# Altium PCB test_stand — копия.PcbDoc (part 1 of 2)
Units mm, origin at the board's own origin, x right, y up, seen from the top; angles counter-clockwise.
Board outline 94 x 80 mm, 4 copper layers (Top Layer, Layer 1(GND), Layer 3, Bottom Layer), stack 1.781 mm thick; 209 components, 152 nets, 944 pads, 135 vias.
Unrouted connection lines stored in the file: 39.
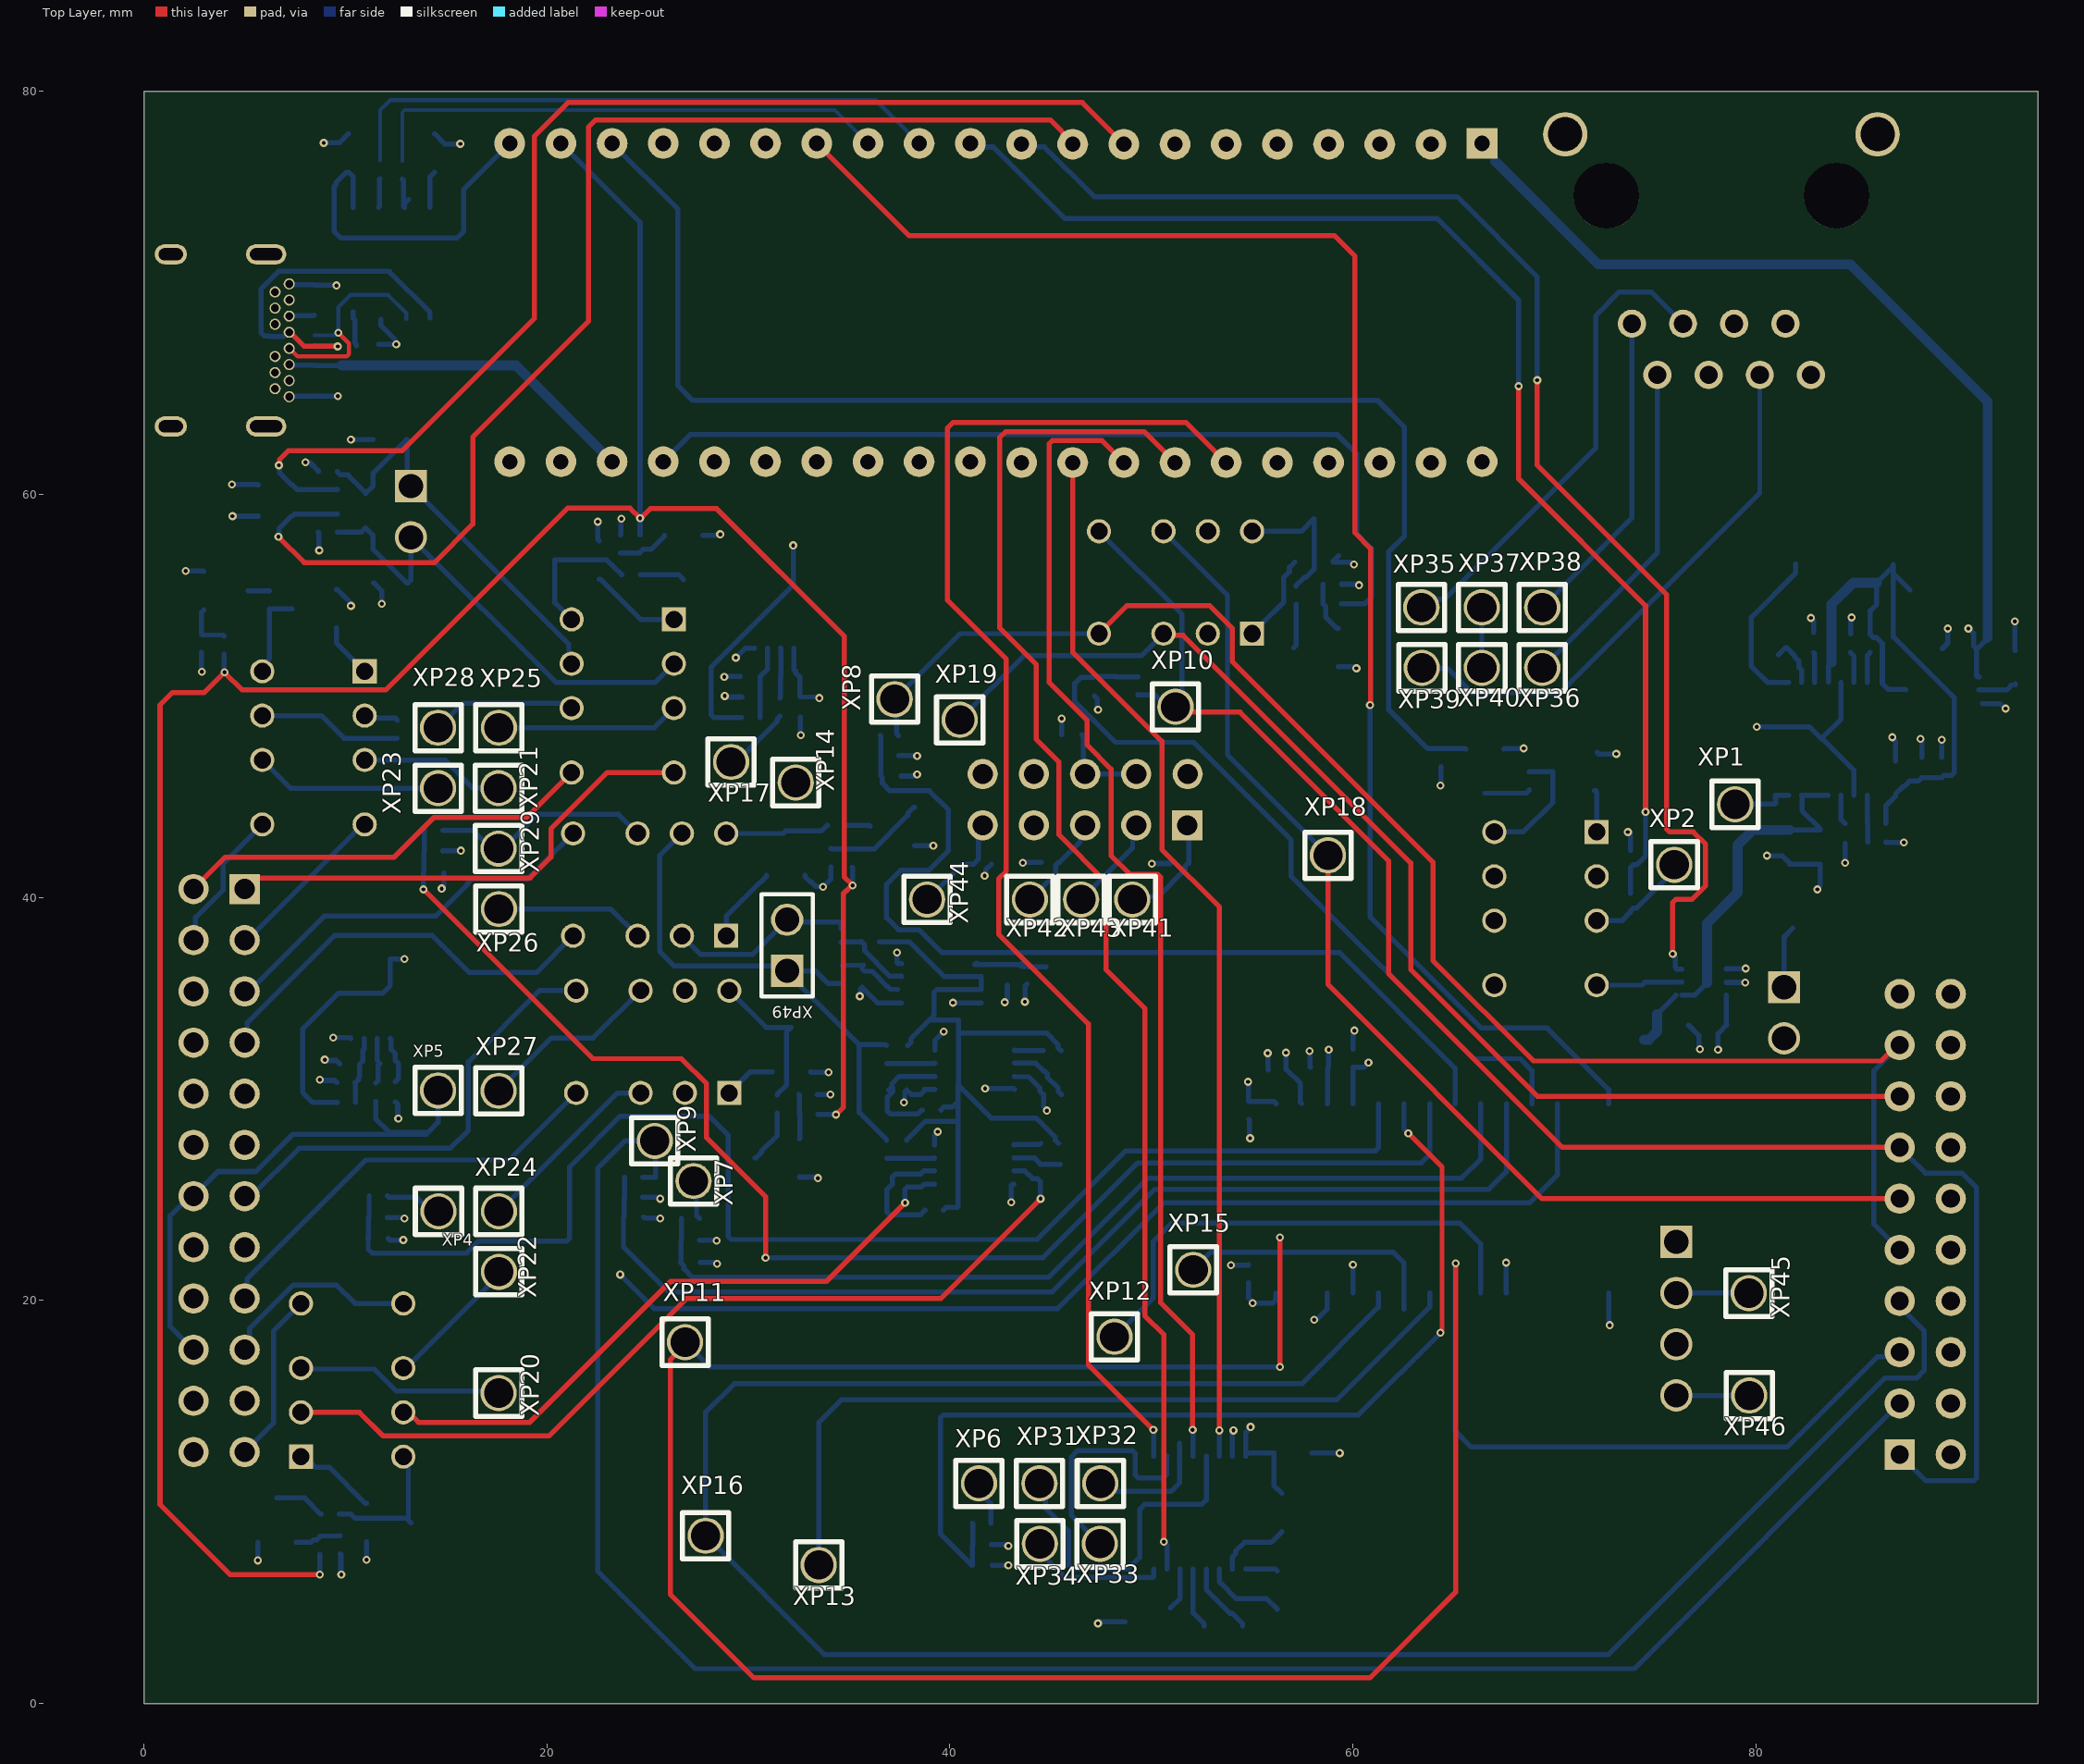
[diagram p0: Top Layer view]
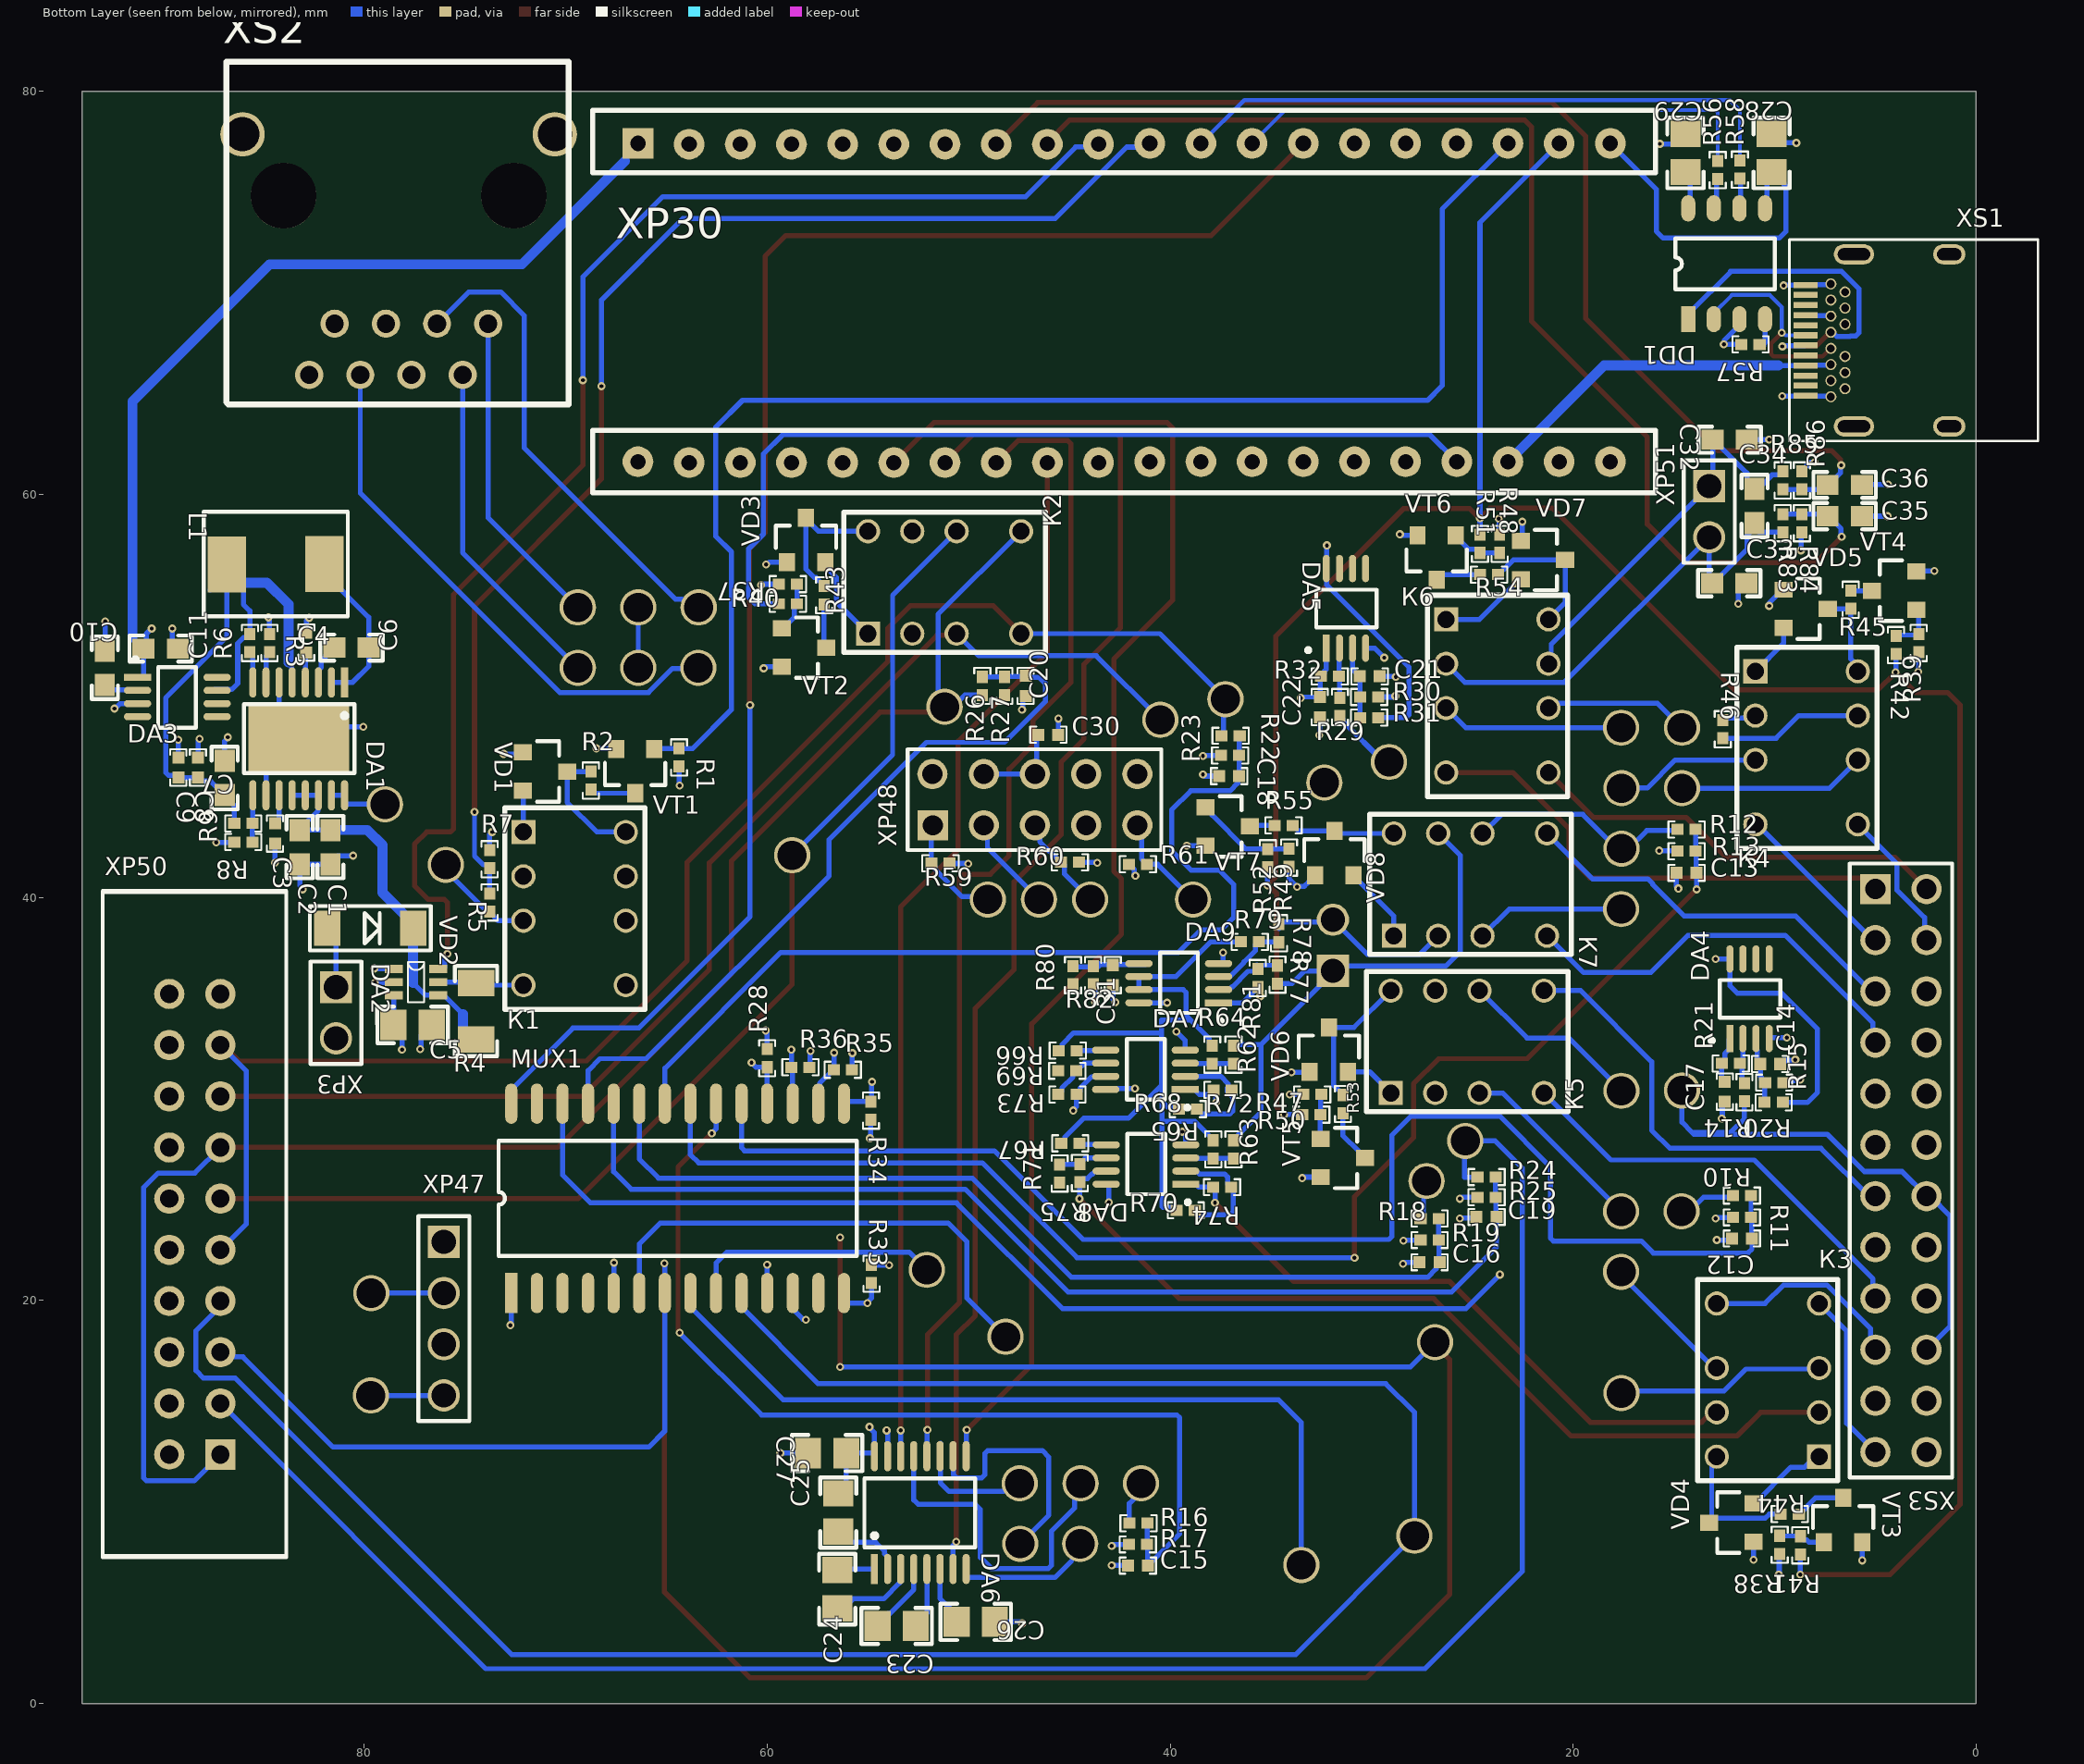
[diagram p1: Bottom Layer view, seen from below]
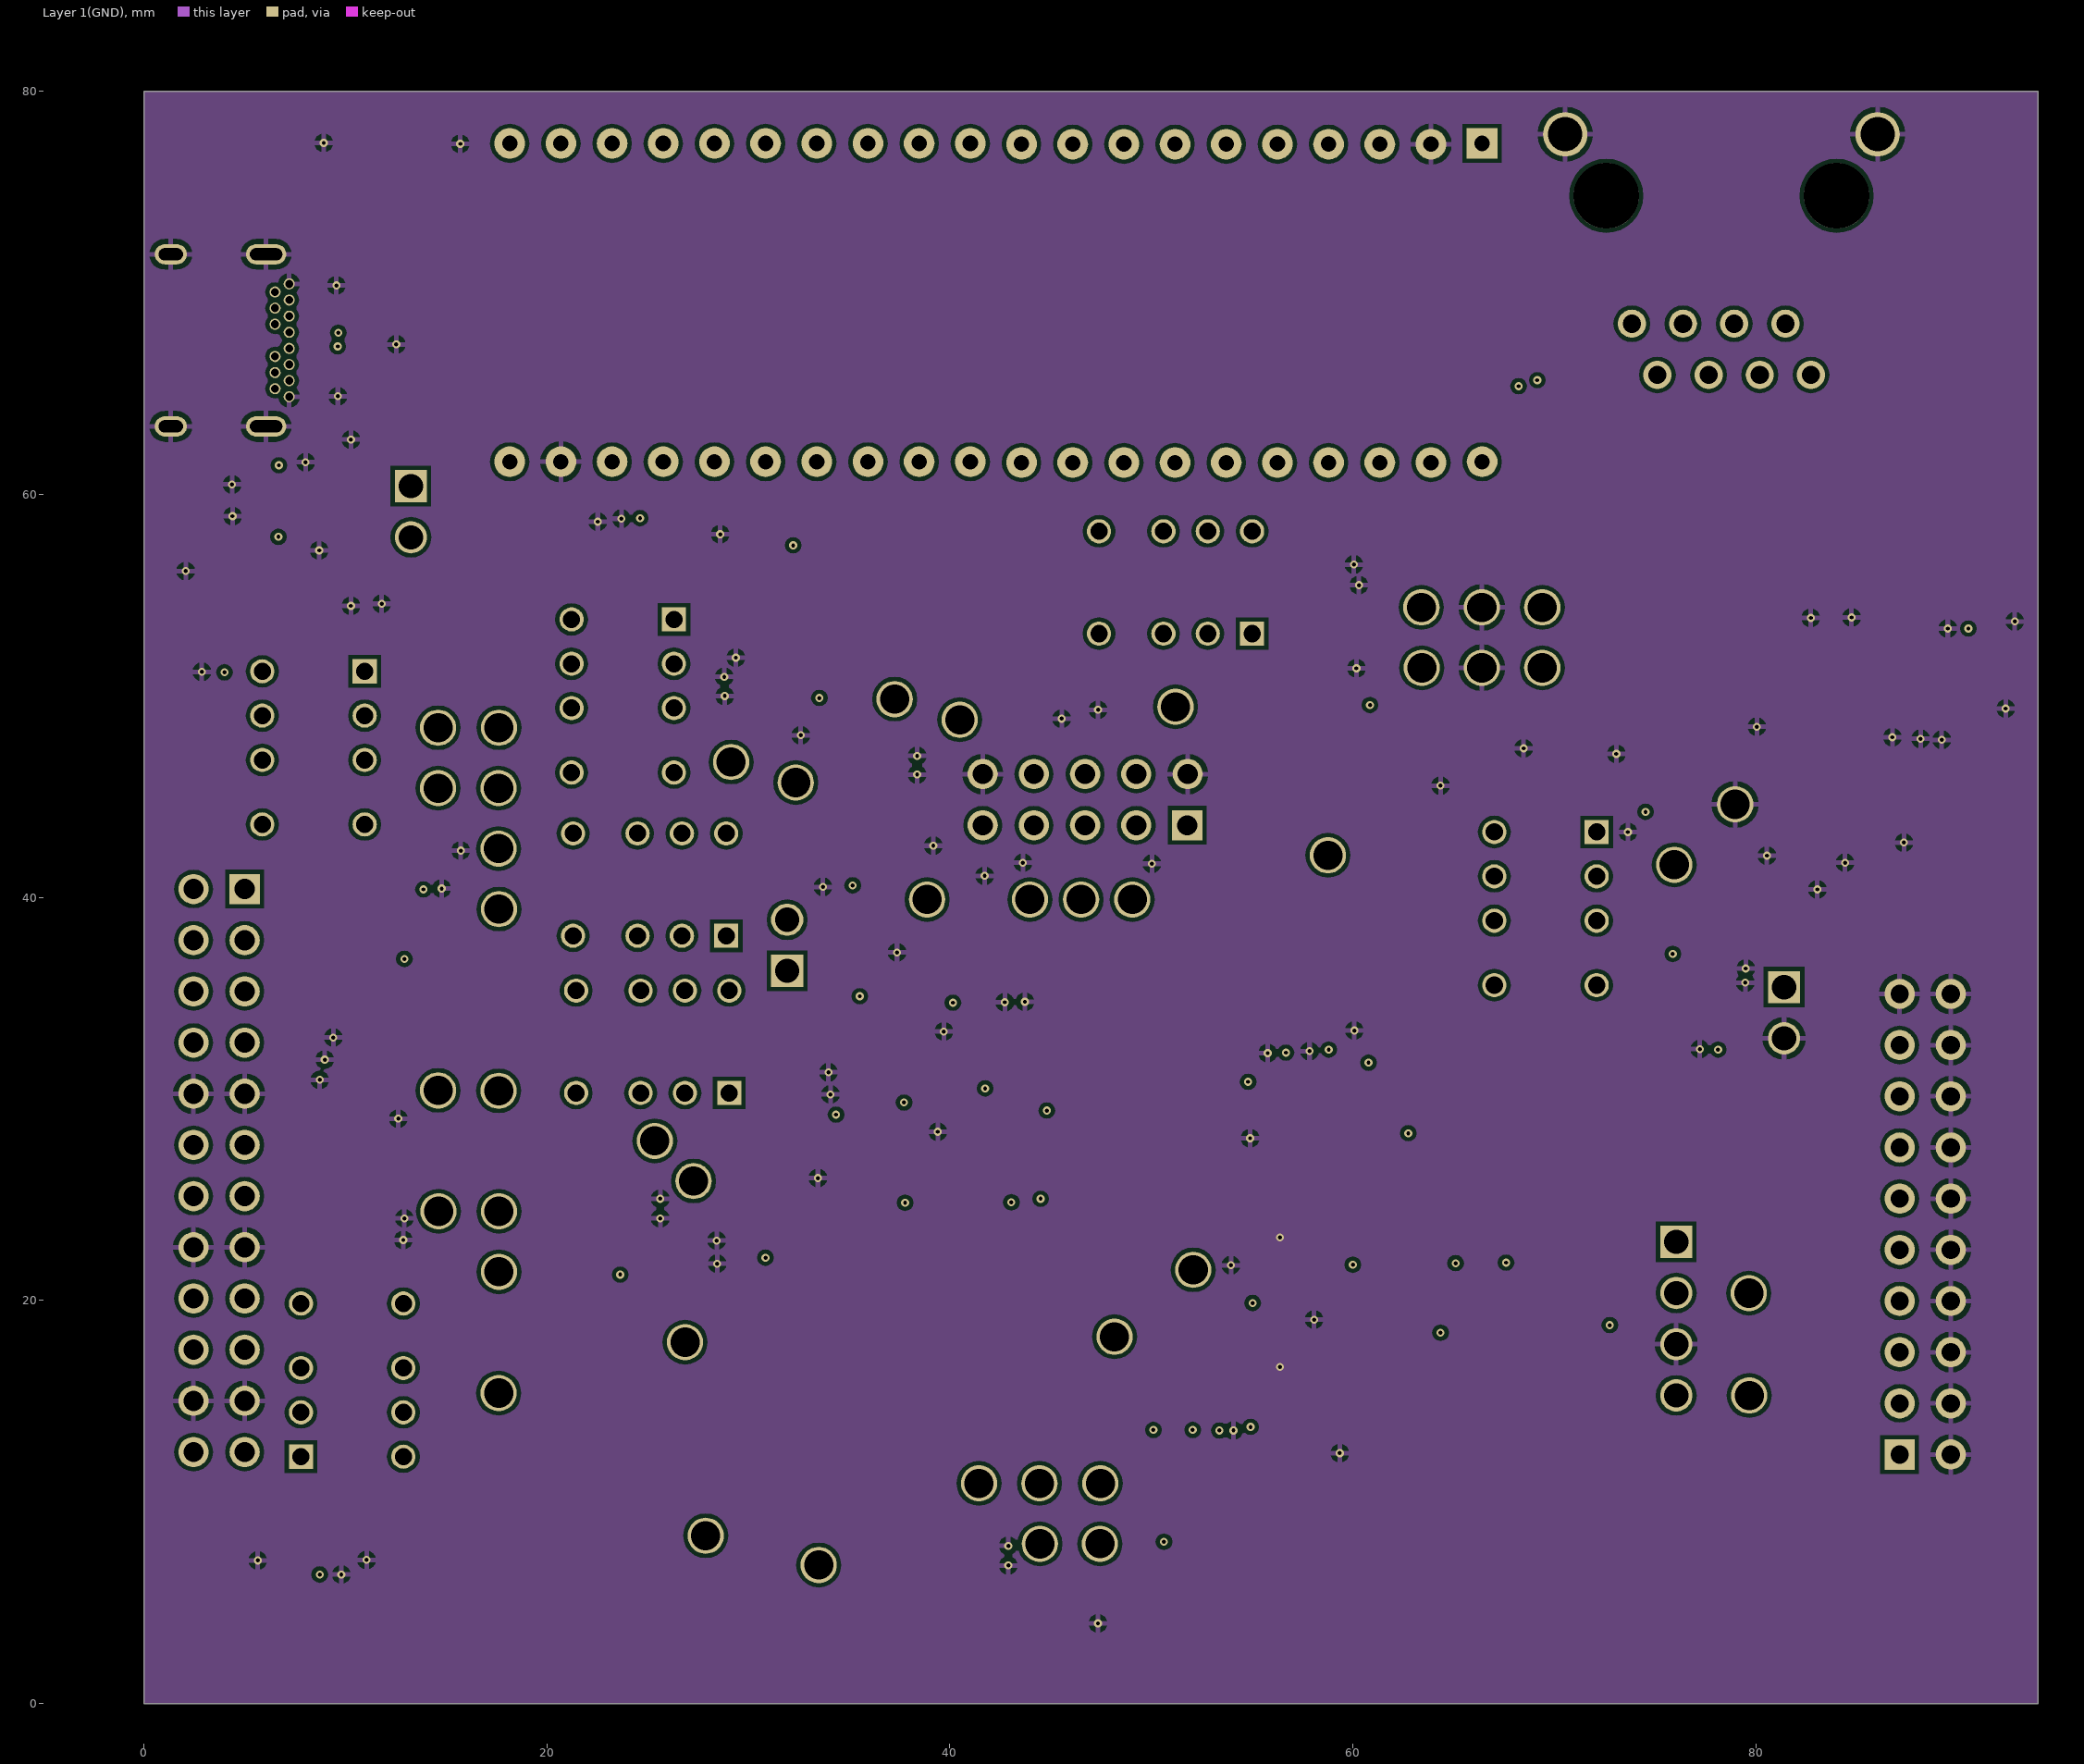
[diagram p2: Layer 1(GND)]
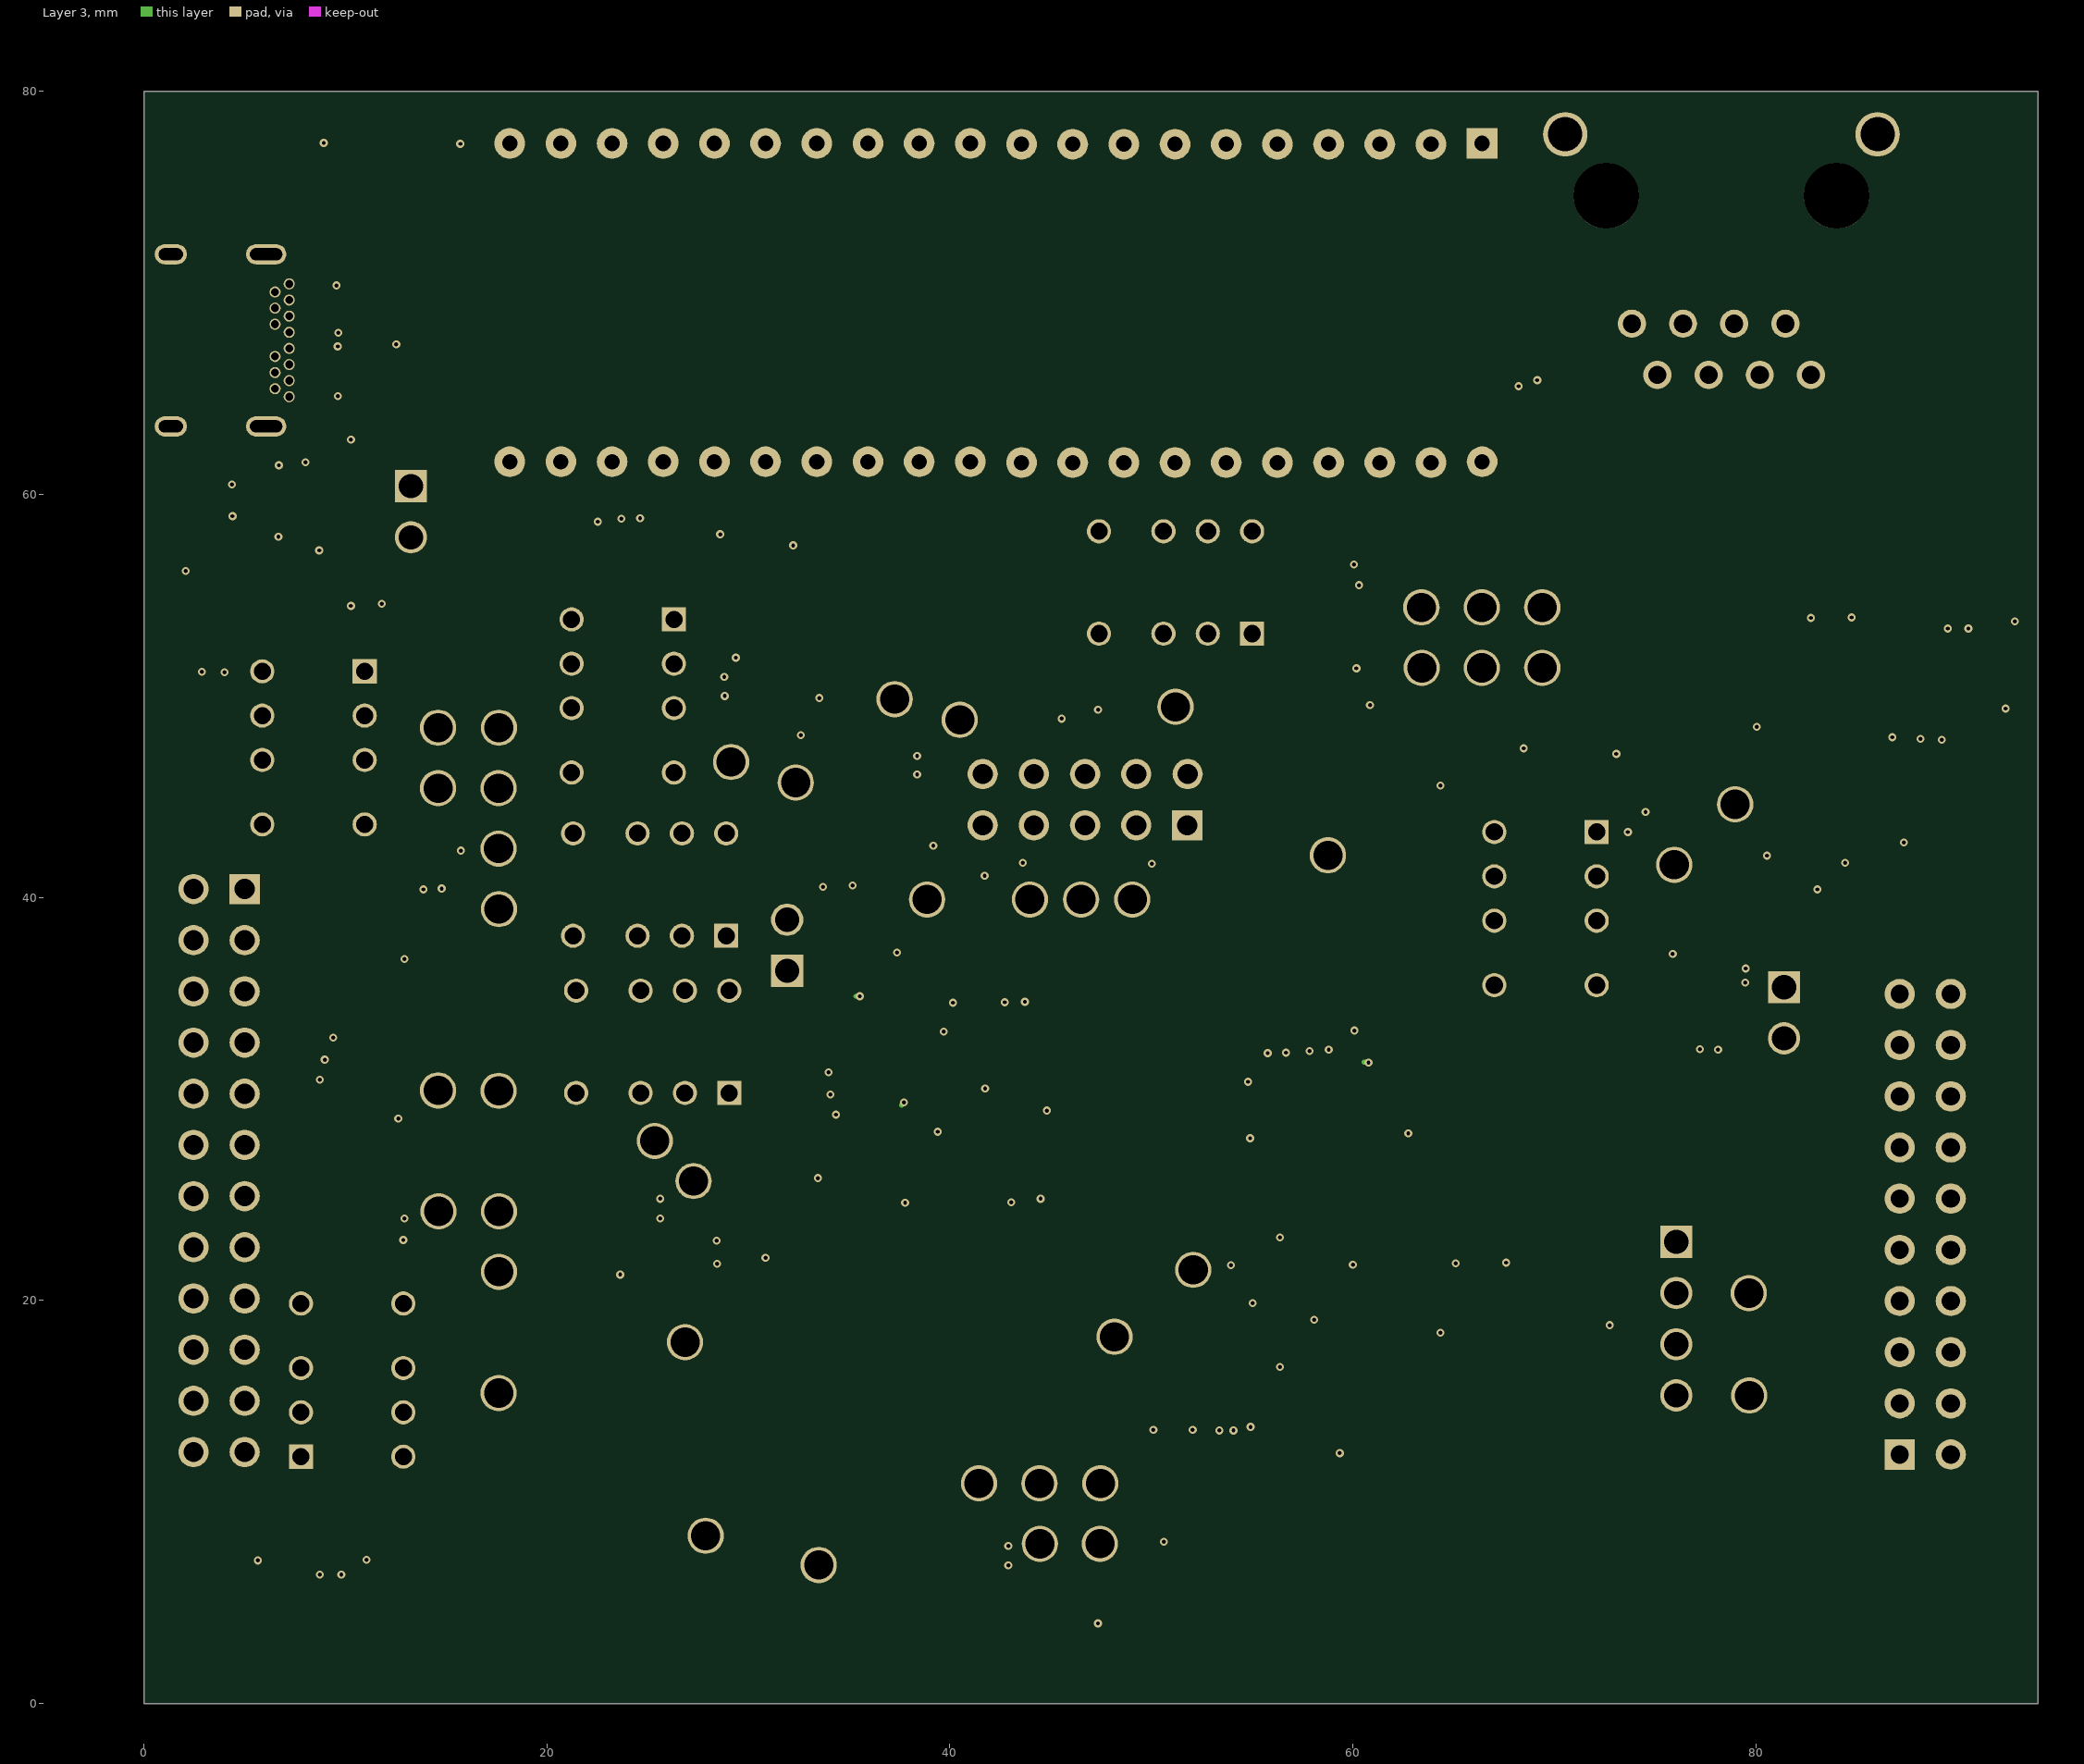
[diagram p3: Layer 3]

## Layer stack, top to bottom
Top Solder: solder mask 0.0254, SM-001, Dk 4
Top Layer: signal copper 0.035
Dielectric 2: prepreg 0.0711, PP-006, Dk 4.1
Layer 1(GND): signal copper 0.035
Dielectric 1: core 1.4986, Core-043, Dk 4.3
Layer 3: signal copper 0.035
Dielectric 3: prepreg 0.0711, PP-006, Dk 4.1
Bottom Layer: signal copper 0.035
Bottom Solder: solder mask 0.0254, SM-001, Dk 4

## Board outline
0,0 0,80 94,80 94,0

## Design rules (kind name [scope] priority, off if disabled: settings)
Clearance [All] p1: gap=0.2 ignorepadtopadclearanceinfootprint=FALSE
Height [All] p1: minheight=0 maxheight=35 prefheight=12.7
PolygonConnect [All] p1: connectstyle=Relief reliefconductorwidth=0.254 reliefentries=4 polygonreliefangle="90 Angle" airgapwidth=0.254
RoutingVias [All] p1: holewidth=0.711 width=1.27 viastyle="Through Hole" minholewidth=0.711 minwidth=1.27 maxholewidth=0.711 maxwidth=1.27
SolderMaskExpansion [All] p1: expansion=0.102 istentingtop=FALSE
Width [All] p1: maxlimit=0.5 minlimit=0.2 preferedwidth=0.254
29 further rules are at their usual default settings.

## Classes and differential pairs
component class STM: C23 C24 C25 C26 C27 DA6 XP30 XP31 XP32 XP33 XP34
component class Rele: R37 R38 R39 R40 R41 R42 R43 R44 R45 R46 R47 R48 R49 R50 R51 R52 R53 R54 R55 VD3 VD4 VD5 VD6 VD7 VD8 VT2 VT3 VT4 VT5 VT6 VT7 XP18 XP19 XP20 XP21 XP22 XP23 XP24 XP25 XP26 XP27 XP28 XP29 К2 К3 К4 К5 К6 К7
component class Power: C1 C2 C3 C4 C5 C6 C7 C8 C9 C10 C11 DA1 DA2 DA3 L1 R1 R2 R3 R4 R5 R6 R7 R8 R9 VD1 VD2 VT1 XP1 XP2 XP3 К1
component class Peltie: C32 C33 C34 C35 C36 R83 R84 R85 R86 XP51
component class ControlPoint: C12 C13 C14 C15 C16 C17 C18 C19 C20 C21 C22 DA4 DA5 MUX1 R10 R11 R12 R13 R14 R15 R16 R17 R18 R19 R20 R21 R22 R23 R24 R25 R26 R27 R28 R29 R30 R31 R32 R33 R34 R35 R36 XP4 XP5 XP6 XP7 XP8 XP9 XP10 XP11 XP12 XP13 XP14 XP15 XP16 XP17
component class Connectors: C28 C29 C30 DD1 R56 R57 R58 R59 R60 R61 XP35 XP36 XP37 XP38 XP39 XP40 XP41 XP42 XP43 XP44 XP45 XP46 XP47 XP48 XP50 XS1 XS2 XS3
component class Check_Laser: C31 DA7 DA8 DA9 R62 R63 R64 R65 R66 R67 R68 R69 R70 R71 R72 R73 R74 R75 R77 R78 R79 R80 R81 R82 XP49
